# Allegro board RK_EVB7_RK3588_LP4XD200P232SD8_V11_20230111YWQ.brd (continued)
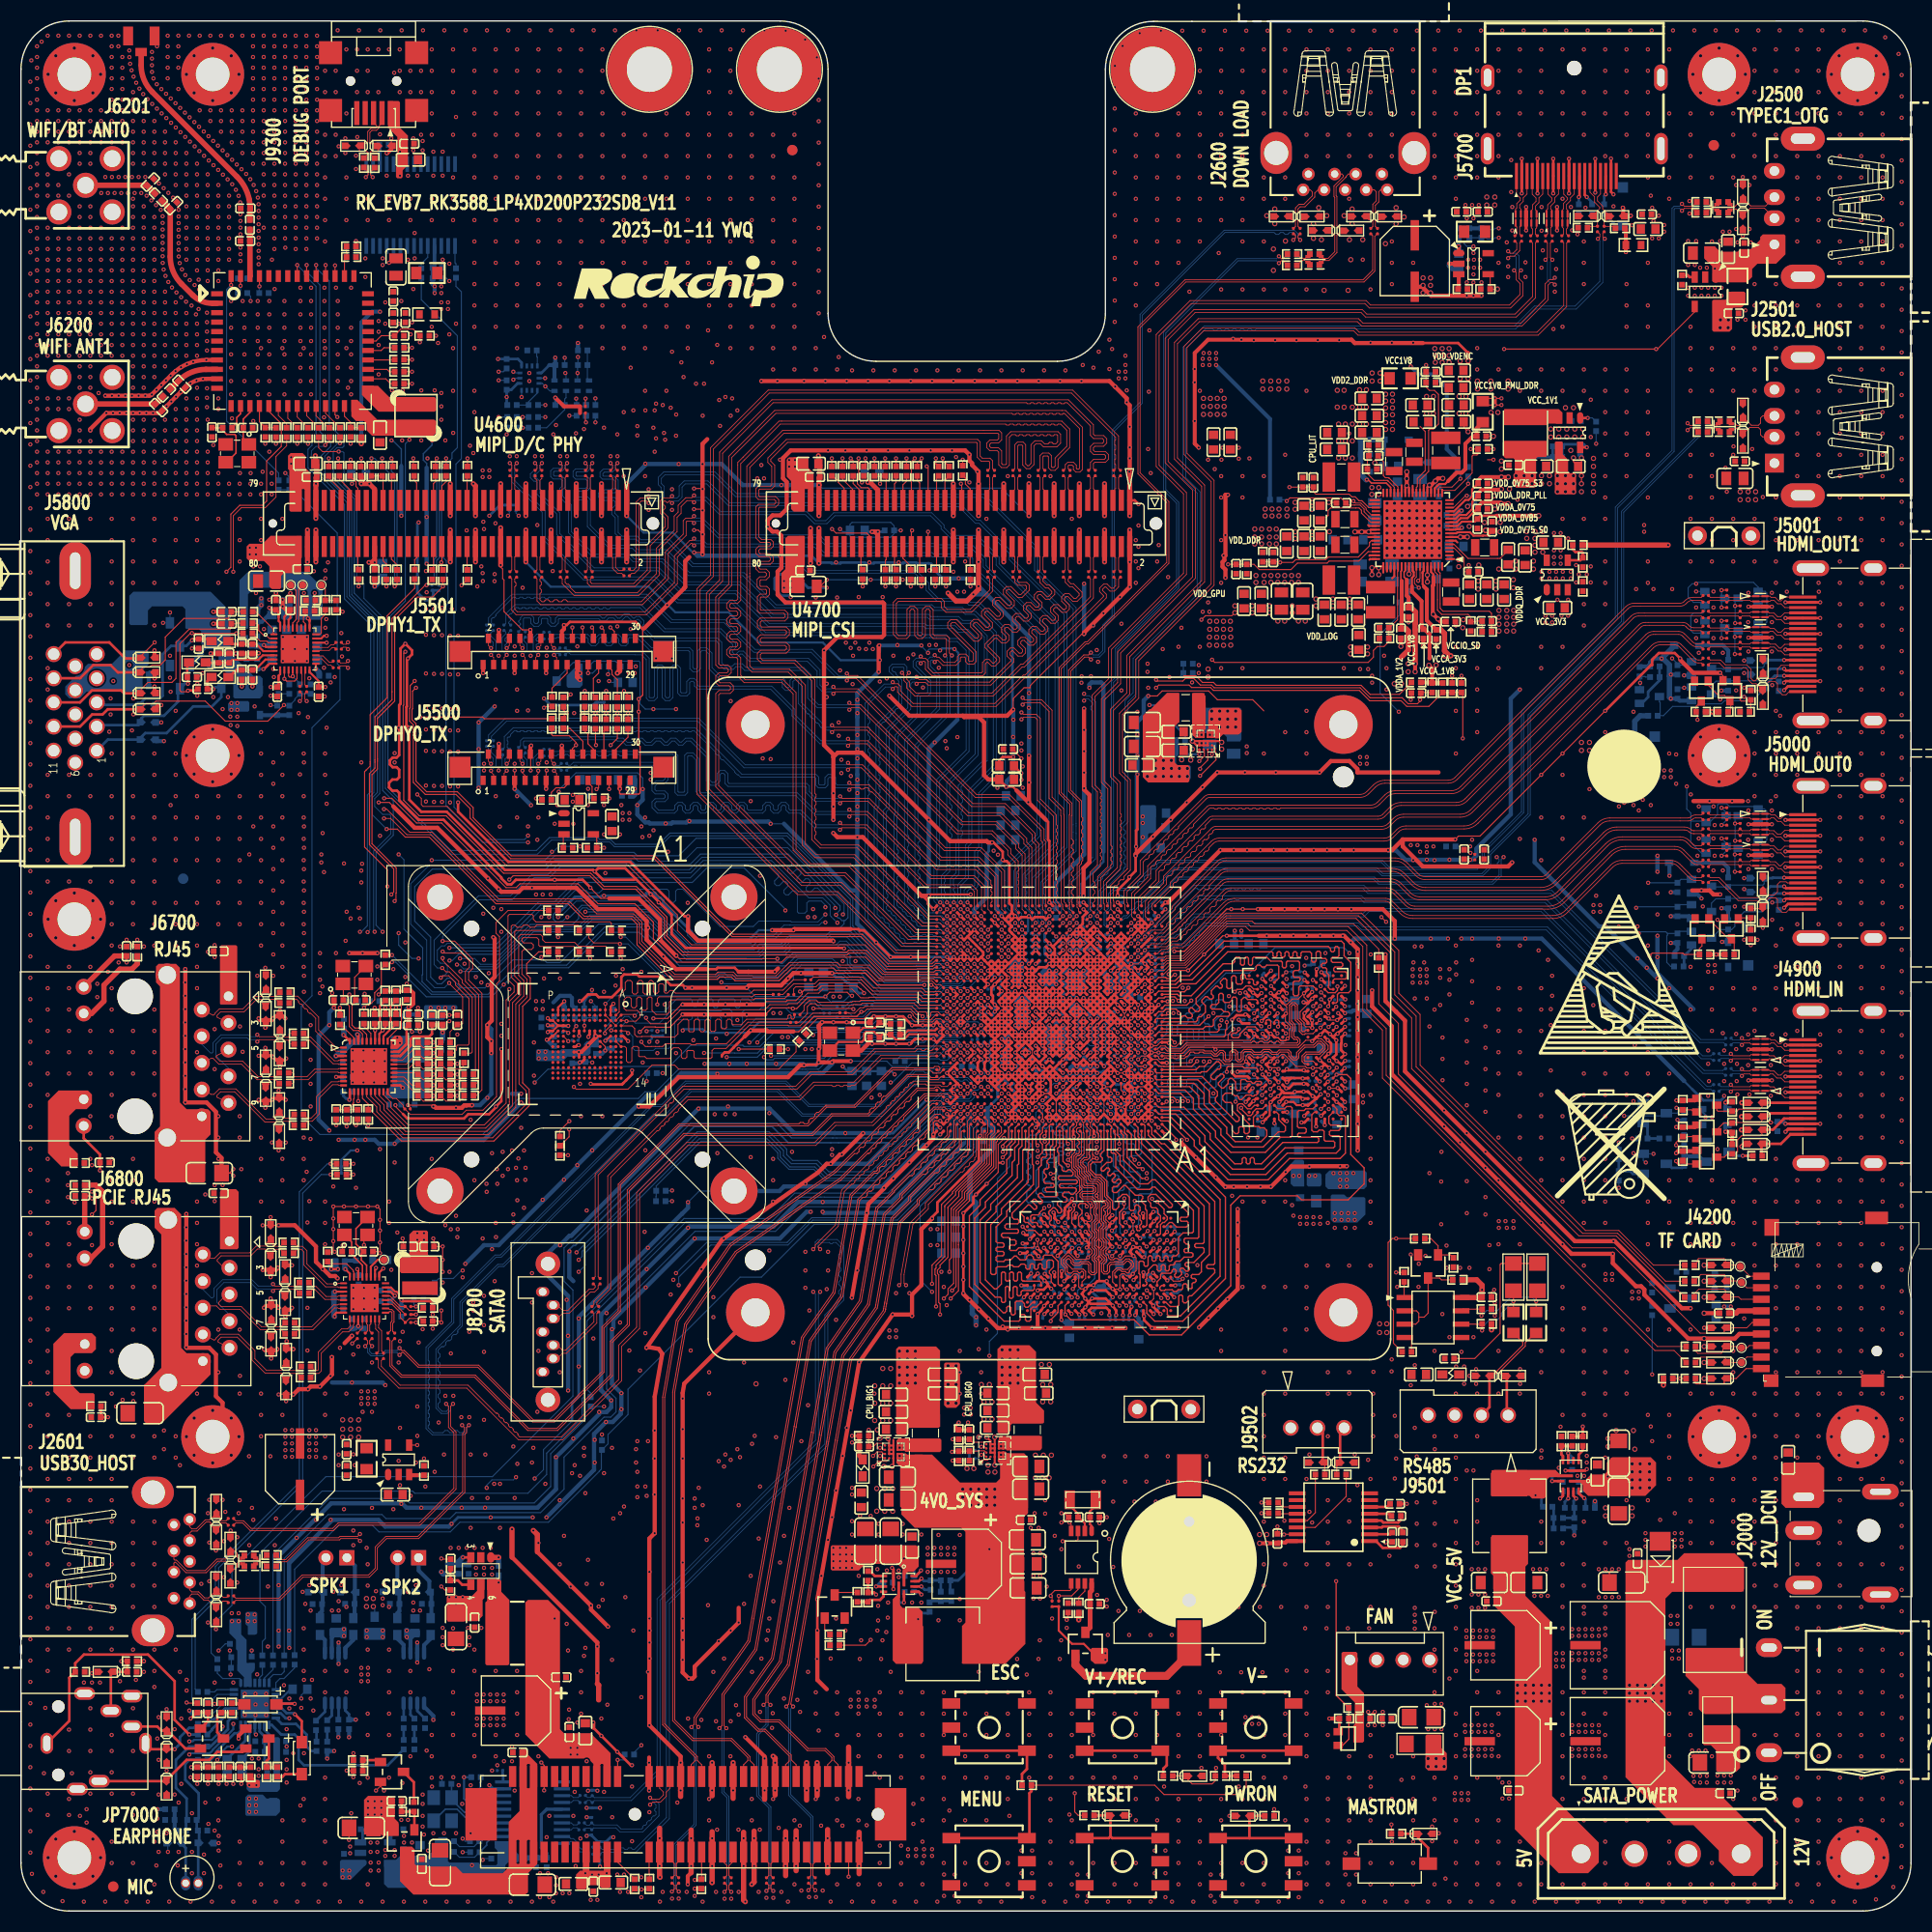
[diagram p0: board, top side]
## Routing (per net, layer and track width the routed paths; a pad name or vN(x,y) marks a point on that pad's centre or on a via; arc(x,y) is an arc through that point) (continued)
MAC1_TXD1: length 43.3
  TOP w0.086: R1516.1 v1(51.15,92.75)
  TOP w0.089: U1000.AC29 v1(90.14,88.9)
  L6-S2 w0.079: v1(90.14,88.9) 89.82,89.23 89.82,89.69 89.63,89.88 86.79,89.88 86.66,90.01 80.74,90.01 80.11,90.64 80.11,90.65 79.84,90.92 79.83,90.92 79.78,90.97 76.73,90.97 76.61,90.85 72.83,90.85 72.22,90.24 71.85,90.24 71.11,90.97 67.4,90.97 66.97,90.54 62.1,90.54 61.92,90.37 61.08,90.37 60.5,90.37 59.26,91.61 51.97,91.61 51.15,92.43 v1(51.15,92.75)
MAC1_TXD2: length 37.5
  TOP w0.086: R1512.1 v1(57.12,90.72)
  TOP w0.089: U1000.AA29 v1(90.14,86.95)
  L3-POWER1 w0.079: v1(90.14,86.95) 89.82,87.28 89.82,87.74 89.4,88.16 88.99,88.16 88.99,88.17 87.79,88.17 86.7,89.26 85.43,89.26 84.51,90.19 79.76,90.19 v1(79.48,90.46)
  L6-S2 w0.079: v1(57.12,90.72) 57.19,90.64 57.33,90.64 57.58,90.4 59.59,90.4 60.23,89.75 62.17,89.75 62.35,89.93 70.66,89.93 71.62,88.97 72.14,88.97 73.18,90.01 77.62,90.01 77.8,89.83 78.89,89.83 79.48,90.41 v1(79.48,90.46)
MAC1_TXD3: length 39.1
  TOP w0.086: v1(54.2,90.72) 54.2,90.77 54.07,90.9 R1513.1
  TOP w0.089: U1000.AA30 v1(89.49,86.95)
  L3-POWER1 w0.079: v1(78.26,90.46) 79.13,89.6 84.21,89.6 85.16,88.65 86.7,88.65 87.15,88.2 87.15,88.03 87.9,87.28 88.33,87.28 88.34,87.29 88.7,87.29 88.71,87.28 88.98,87.28 88.99,87.29 89.16,87.29 v1(89.49,86.95)
  L6-S2 w0.079: v1(78.26,90.46) 76.73,90.46 76.61,90.34 72.92,90.34 72.49,89.9 71.58,89.9 71.25,90.24 62.22,90.24 62.05,90.06 60.38,90.06 59.21,91.23 54.71,91.23 v1(54.2,90.72)
MAC1_TXEN: length 39.1
  TOP w0.086: R1517.1 v1(57.12,92.75)
  TOP w0.089: U1000.AD29 90.47,89.23 v1(90.14,89.55)
  BOTTOM w0.086: v1(90.14,89.55) 90.07,89.48 90.07,89.29 89.82,89.04 89.82,88.77 89.36,88.31 87.77,88.31 86.97,87.51 81.77,87.51 79.96,89.32 79.05,89.32 78.51,89.86 78.11,89.86 77.27,90.7 73.99,90.7 72.87,89.58 72.67,89.58 72.03,88.94 69.75,88.94 69.62,89.07 67.27,89.07 67.02,89.32 66.38,89.32 66.13,89.07 61.29,89.07 57.61,92.75 v1(57.12,92.75)
MIC2N: length 13.4
  BOTTOM w0.254: MIC7000.2 16.88,6.4 ED7001.1 16.97,7.54 R7022.1 16.73,7.78 C7020.2 16.92,8.86 16.92,11.22 15.65,12.49 15.65,14.01 16.03,14.39 C7010.2
MIC2P: length 15.2
  BOTTOM w0.254: MIC7000.1 15.68,6.01 ED7000.1 15.24,6.77 15.72,7.25 R7016.2 15.72,8.56 C7020.1 15.77,8.73 15.77,10.71 14.76,11.72 14.76,14.39 16.03,15.66 C7009.2
MIPI_CAM1_CLKOUT: length 132.3
  TOP w0.089: v1(92.74,76.55) 92.42,76.88 U1000.E26
  TOP w0.104: R4620.1 v1(42.52,138.34)
  L3-POWER1 w0.104: v1(44.33,69.26) 44.35,69.27 44.35,74.59 42.57,76.37 42.57,78.49 42.57,78.5 42.57,84.15 42.57,84.15 42.57,86.18 41.59,87.16 40.96,87.16 39.52,88.6 39.52,91.99 36.6,94.91 36.6,100.94 38.95,103.29 38.95,125.24 39.52,125.81 39.52,134.28 40.41,135.17 40.41,136.06 42.52,138.17 v1(42.52,138.34)
  L6-S2 w0.089: 90.37,73.47 91.96,75.05 91.96,75.85 92.66,76.55 v1(92.74,76.55)
  L6-S2 w0.104: v1(44.33,69.26) 44.44,69.26 45.33,68.36 58.12,68.36 62.05,64.43 66.78,64.43 67.58,65.23 72.81,65.23 73.68,66.1 83.01,66.1 90.37,73.47
MIPI_CAM1_PDN_L: length 160.5
  TOP w0.089: U1000.A26 92.42,74.24 92.04,73.87 92.04,73.54 91.99,73.48 91.99,73.34
  TOP w0.104: R4628.1 37.36,137.65 v1(37.36,138.34) ; 91.99,73.34 91.99,71.18 89.32,68.51 89.32,68.07 88.28,67.03 88.28,66.96 88.28,62.26 87.53,61.51 87.53,61.28 87.28,61.03 87.28,60.72 87.4,60.59 87.4,57.95 87.53,57.83 v1(87.53,56.81)
  L3-POWER1 w0.104: v1(37.36,138.34) 35.2,136.18 35.2,127.31 36.13,126.38 36.13,125.92 35.26,125.05 35.26,112.43 36.35,111.34 36.35,102.84 33.73,100.22 33.73,99.83 33.73,94.51 34.82,93.42 34.82,92.75 36.09,91.48 36.09,87.04 36.47,86.65 36.47,83.93 37.64,82.77 37.64,75.17 36.45,73.99 36.45,66.3 37.81,64.94 39.4,64.94 41.55,62.78 41.55,58.71 v1(43.08,57.19)
  L6-S2 w0.104: v1(43.08,57.19) 43.97,58.08 45.75,58.08 47.53,59.86 52.12,59.86 54.35,57.64 62.71,57.64 64.46,59.4 70.64,59.4 71.53,59.4 75.24,55.69 78.66,55.69 80.65,57.68 86.44,57.68 87.31,56.81 v1(87.53,56.81)
MIPI_CAM1_PWREN_H: length 151.6
  TOP w0.089: U1000.F28 v1(90.79,77.85)
  TOP w0.104: v1(31.39,138.22) 31.39,137.63 R4626.1
  L3-POWER1 w0.104: v1(42.76,139.55) 42.82,139.49 42.98,139.49 43.46,139.01 43.46,136.31 43.71,136.06 44.73,136.06 45.03,135.76 45.03,132.55 44.7,132.22 44.7,128.29 45.71,127.29 45.71,125.43 46.18,124.95 48.99,124.95 50.64,123.3 50.64,122.02 51.7,120.96 51.7,117.61 50.32,116.23 50.32,113.34 51.08,112.58 51.08,110.88 52.14,109.82 52.14,106.99 51.46,106.31 51.46,101.08 52.45,100.09 52.45,94.62 52.48,94.59 52.48,87.92 52.12,87.57 52.12,86.3 51.01,85.19 51.01,82.44 51.08,82.37 51.08,72.48 50.95,72.35 50.95,64.37 51.84,63.48 51.84,62.64 53.11,61.37 v1(53.11,60.87)
  L6-S2 w0.104: v1(42.76,139.55) 42.06,138.85 42.06,138.34 41.55,137.84 31.78,137.84 v1(31.39,138.22)
  BOTTOM w0.089: 86.42,74.95 86.61,75.15 86.61,75.32 87.27,75.98 87.27,76.3 87.85,76.88 88.42,76.88 88.67,77.13 90.45,77.13 90.79,77.47 v1(90.79,77.85)
  BOTTOM w0.104: 86.42,74.95 82.33,70.87 82.32,70.87 81.93,70.47 81.87,70.47 81.18,69.78 76.69,69.78 75.6,70.87 73.24,70.87 72.31,71.79 72.31,72.3 71.06,73.55 64.6,73.55 53.75,62.7 53.75,61.51 v1(53.11,60.87)
MIPI_CAM2_CLKOUT: length 110.9
  TOP w0.089: U1000.E27 91.77,76.88 v1(91.44,76.55)
  TOP w0.104: v1(41.96,126.26) R4621.2
  L3-POWER1 w0.104: v1(46.38,70.65) 46.38,70.66 46.38,71 46.36,71.03 46.36,71.92 46.38,71.94 46.38,76.62 45.24,77.76 45.24,84.37 44.98,84.62 44.98,84.72 44.83,84.87 44.83,88.7 44.98,88.85 44.98,90.34 44.48,90.85 44.48,95.16 43.97,95.67 43.97,101.39 40.48,104.88 40.48,123.99 41.96,125.47 v1(41.96,126.26)
  L6-S2 w0.089: v1(91.44,76.55) 91.44,76.47 91.34,76.37 91.34,76.26 91.12,76.04 91.12,75.79 91.12,75.79 91.12,75.77 90.93,75.58 90.66,75.58 90.64,75.59 90.58,75.59 88.45,73.47
  L6-S2 w0.104: 88.45,73.47 87.81,72.82 86.68,72.82 81.84,67.98 81.75,67.98 74.2,67.98 70.89,71.29 66.73,71.29 65.74,70.3 46.73,70.3 v1(46.38,70.65)
MIPI_CAM2_PDN_L: length 139.4
  TOP w0.104: v1(34.89,97.58) 34.89,97.58 34.89,99.16 32.72,101.33 32.72,108.51 32.86,108.65 33.25,109.04 33.25,109.23 33.25,109.42 33.25,113.93 34.87,115.55 34.87,115.93 34.87,123.35 37.49,125.97 R4629.2 ; U1000.B25 93.37,74.62 93.37,74.15 92.74,73.52 92.74,73.44 92.64,73.34 92.64,70.88 90.09,68.34 90.09,67.75 89.05,66.71 89.05,59.47 v1(88.67,59.1)
  L3-POWER1 w0.104: v1(40.41,65.32) 40.16,65.57 38.13,65.57 36.91,66.78 36.91,73.63 38.1,74.82 38.1,83.3 38.38,83.58 38.38,83.89 38.31,83.96 38.31,87.22 38.44,87.35 38.44,91.28 34.89,94.83 34.89,97.58 v1(34.89,97.58)
  L6-S2 w0.104: v1(88.67,59.1) 88.67,59.19 83.44,64.41 74.38,64.41 73.51,63.54 68.39,63.54 67.58,62.73 61.36,62.73 60.25,63.84 58.86,63.84 57.61,65.09 55.64,65.09 42.16,65.09 41.94,65.32 v1(40.41,65.32)
MIPI_CAM2_PWREN_H: length 143.1
  TOP w0.089: U1000.E28 v1(90.79,76.55)
  TOP w0.104: R4627.2 v1(32.16,126.15)
  L3-POWER1 w0.104: v1(35.27,61.06) 35.23,61.06 33.43,62.87 33.43,63.61 32.41,64.63 32.41,74.97 31.79,75.6 29.88,75.6 28.93,76.54 28.93,85.28 29.26,85.61 29.26,91.38 28.47,92.17 28.47,99.1 30.38,101.01 30.38,103.55 32.16,105.32 32.16,109.11 32.03,109.23 32.03,109.54 32.28,109.8 32.28,126.02 v1(32.16,126.15)
  L6-S2 w0.104: v1(35.27,61.06) 37.17,61.06 38.76,59.48 42.64,59.48 46.41,63.25 50.85,63.25 52.2,61.9 52.2,60.87 54.73,58.34 62.03,58.34 62.64,58.94 v1(62.64,59.6)
  BOTTOM w0.089: v1(90.79,76.55) 90.79,76.46 90.47,76.13 90.47,75.77 90.28,75.58 90.28,74.75 90.43,74.59 90.43,73.47
  BOTTOM w0.104: 90.43,73.47 90.43,72.87 90.43,72.77 83.45,65.8 75.41,65.8 73.05,63.44 65.71,63.44 62.64,60.37 v1(62.64,59.6)
MIPI_CAM3/4_PWREN_H: length 139
  TOP w0.089: U1000.D26 92.42,76.23 v1(92.74,75.9)
  TOP w0.104: R4736.1 79.25,138.11 v1(79.02,138.34)
  L3-POWER1 w0.104: v1(60.35,138.98) 60.6,138.72 60.6,137.76 61.08,137.28 61.08,128.66 60.41,127.99 60.41,120.56 60.86,120.12 60.86,114.34 61.85,113.35 61.85,101.74 61.18,101.07 61.18,95.04 60.67,94.53 60.67,93.26 61.18,92.75 61.18,92.18 61.69,91.67 61.69,87.73 62.36,87.06 62.36,83.12 63.13,82.35 63.13,79.85 59.87,76.59 59.87,69.96 59.54,69.64 59.54,64.83 v1(59.39,64.68)
  L6-S2 w0.089: v1(92.74,75.9) 92.34,75.5 92.34,74.59 92.12,74.37 92.12,73.78 91.8,73.47
  L6-S2 w0.104: v1(60.35,138.98) 60.41,138.92 65.43,138.92 65.46,138.9 74.66,138.9 75.59,137.96 78.51,137.96 78.89,138.34 v1(79.02,138.34) ; v1(59.39,64.68) 60.39,64.68 61.64,63.44 67.3,63.44 68.1,64.23 73.22,64.23 74.09,65.11 83.45,65.11 91.8,73.47
MIPI_CAM3_CLKOUT: length 180.3
  TOP w0.089: U1000.F24 v1(94.04,77.2)
  TOP w0.104: R4724.1 v1(89.69,138.22)
  L3-POWER1 w0.104: v1(42.44,131.49) 41.26,130.31 41.26,127.18 41.1,127.01 41.1,125.69 39.71,124.31 39.71,102.97 37.37,100.62 37.37,95.23 39.38,93.22 40.51,93.22 42.7,91.03 42.7,87.45 43.33,86.81 43.33,84.47 43.34,84.46 43.34,77 45.36,74.97 45.36,70.65 v1(45.32,70.65)
  L6-S2 w0.089: v1(94.04,77.2) 93.72,76.88 92.61,76.88 91.77,76.04 91.77,75.77 91.58,75.58 91.56,75.58 91.56,75.58 91.31,75.58 91.12,75.39 91.12,75.12 89.46,73.47
  L6-S2 w0.104: 89.46,73.47 87.92,71.92 87.4,71.92 82.57,67.09 71.52,67.09 70.42,65.99 61.78,65.99 58.64,69.13 46.13,69.13 45.32,69.94 v1(45.32,70.65) ; v1(42.44,131.49) 43.59,130.34 57.08,130.34 60.18,127.25 63.02,127.25 63.16,127.11 69.19,127.11 71.65,129.58 85.54,129.58 88.04,132.08 88.04,135.93 89.69,137.58 v1(89.69,138.22)
MIPI_CAM3_PDN_L: length 176.8
  TOP w0.089: U1000.C25 93.07,75.58 v1(93.39,75.25)
  TOP w0.104: v1(85.78,138.34) 85.35,137.92 R4732.1
  L3-POWER1 w0.104: v1(44.09,131.61) 44.24,131.46 44.24,127.91 44.39,127.77 44.39,125.28 42.24,123.13 42.24,107.51 46.87,102.88 46.87,98.41 46.89,98.39 46.89,98.07 46.38,97.57 46.38,91.43 46.74,91.07 46.74,88.1 47.02,87.82 47.02,84.92 47.02,79.03 48.03,78.02 48.03,74.64 48.29,74.39 48.29,71.41 48.54,71.16 48.54,71.08 48.54,71.08 48.54,70.73 48.54,69.51 46.89,67.86 v1(46.89,66.33)
  L6-S2 w0.089: 92.46,73.47 92.7,73.71 92.7,74.32 93.39,75.01 v1(93.39,75.25)
  L6-S2 w0.104: v1(46.89,66.33) 47.88,65.34 57.69,65.34 58.96,64.07 60.35,64.07 61.45,62.97 67.48,62.97 68.29,63.77 73.41,63.77 74.29,64.65 83.64,64.65 92.46,73.47 ; v1(85.78,138.34) 85.78,137.2 81.26,132.68 76.73,132.68 76.32,132.27 73.51,132.27 72.64,133.14 69.39,133.14 65.02,128.78 63.85,128.78 63.63,129 61.22,129 58.75,131.47 58.75,132.89 57.69,133.95 45.14,133.95 44.22,133.04 44.22,132.7 44.41,132.52 44.41,131.93 v1(44.09,131.61)
MIPI_CAM4/5_PWREN_H: length 154.4
  TOP w0.089: U1000.D25 v1(93.39,76.55)
  TOP w0.104: R4737.2 v1(80.16,126.15)
  L3-POWER1 w0.104: v1(45.1,126.65) 45.1,125.34 42.7,122.94 42.7,109.08 44.4,107.39 44.4,106 47.33,103.07 47.33,98.6 47.35,98.58 47.35,98.26 47.35,97.88 46.84,97.37 46.84,91.62 47.2,91.26 47.2,88.29 47.48,88.02 47.48,85.26 47.48,85.26 47.48,85.11 47.48,79.22 48.49,78.21 48.49,74.84 48.75,74.58 48.75,71.64 49,71.39 49,69.08 47.9,67.99 v1(47.9,66.97)
  L6-S2 w0.089: 91.39,73.47 91.44,73.47 91.82,73.85 91.82,74.34 92.15,74.67 92.15,75.77 92.61,76.23 92.88,76.23 93.2,76.55 v1(93.39,76.55)
  L6-S2 w0.104: v1(45.1,126.65) 45.35,126.9 58.23,126.9 59.31,125.82 62.43,125.82 62.6,125.65 79.66,125.65 v1(80.16,126.15) ; v1(47.9,66.97) 49.05,65.83 58.06,65.83 58.83,65.06 60.34,65.06 61.73,63.67 67.2,63.67 68,64.47 73.12,64.47 74,65.34 83.35,65.34 91.16,73.15 91.16,73.24 91.39,73.47
MIPI_CAM4_CLKOUT: length 164.1
  TOP w0.089: v1(93.39,77.85) U1000.F25
  TOP w0.104: R4725.2 v1(90.43,126.15)
  L3-POWER1 w0.104: v1(43.84,128.06) 43.08,127.29 43.08,125.51 41.24,123.68 41.24,105.32 44.95,101.61 44.95,96.11 45.37,95.7 45.37,91.04 45.74,90.66 45.74,88.53 45.59,88.38 45.59,85.19 46.25,84.53 46.25,78.18 47.14,77.29 47.14,73.7 47.37,73.47 v1(47.37,71.67)
  L6-S2 w0.089: 87.2,73.47 87.67,73.47 89.05,74.84 89.05,75.27 89.36,75.58 90.28,75.58 90.47,75.77 90.47,76.04 90.66,76.23 90.93,76.23 91.12,76.42 91.12,76.69 91.31,76.88 92.34,76.88 93.31,77.85 v1(93.39,77.85)
  L6-S2 w0.104: v1(90.43,126.15) 90.43,126.51 89.01,127.93 88.29,127.93 87.4,128.82 74.95,128.82 74.72,128.59 72.31,128.59 70.33,126.6 62.95,126.6 62.81,126.74 59.97,126.74 57.84,128.87 44.65,128.87 v1(43.84,128.06) ; 87.2,73.47 87.18,73.45 86.14,73.45 81.94,69.26 75.34,69.26 71.27,73.32 63.02,73.32 61.36,71.66 52.6,71.66 52.35,71.41 51.71,71.41 51.46,71.66 47.38,71.66 v1(47.37,71.67)
MIPI_CAM4_PDN_L: length 198.5
  TOP w0.089: 91.77,73.3 91.77,73.53 91.85,73.61 91.85,73.95 92.06,74.16 92.06,75.28 U1000.C27
  TOP w0.104: R4730.1 v1(84.33,138.34) ; v1(87.15,57.57) 87.15,60.52 87.05,60.62 87.05,61.13 87.15,61.23 87.15,61.51 87.97,62.33 87.97,67.09 87.97,67.09 87.97,67.16 89.01,68.2 89.01,68.49 91.77,71.25 91.77,73.3
  L3-POWER1 w0.104: v1(44.03,132.31) 44.47,131.87 44.47,128.06 44.62,127.92 44.62,125.5 44.62,125.18 42.47,123.04 42.47,108.92 44.16,107.22 44.16,105.91 47.1,102.98 47.1,98.5 47.12,98.48 47.12,98.17 47.12,97.98 46.61,97.47 46.61,91.53 46.97,91.17 46.97,88.2 47.25,87.92 47.25,85.01 47.25,79.13 48.26,78.11 48.26,74.74 48.52,74.49 48.52,71.54 48.77,71.29 48.77,69.23 47.65,68.11 47.65,67.35 47.4,67.1 47.4,66.21 47.14,65.95 46.38,65.95 44.35,63.92 44.35,59.22 v1(44.73,58.84)
  L6-S2 w0.104: v1(87.15,57.57) 86.81,57.91 80.56,57.91 78.57,55.92 75.33,55.92 71.62,59.63 70.74,59.63 70.74,59.63 64.34,59.63 62.58,57.87 54.44,57.87 52.22,60.1 45.98,60.1 v1(44.73,58.84) ; v1(44.03,132.31) 43.99,132.35 43.99,133.14 45.04,134.18 57.79,134.18 58.98,132.99 58.98,131.56 61.31,129.23 63.72,129.23 63.95,129.01 64.26,129.01 64.53,129.28 64.53,129.36 65.16,129.98 65.7,129.98 69.1,133.38 72.81,133.38 73.68,132.5 76.23,132.5 76.64,132.91 80.83,132.91 84.33,136.42 v1(84.33,138.34)
MIPI_CAM5_PDN_L: length 122
  TOP w0.089: U1000.AD33 87.51,89.58 87.09,89.58 86.93,89.42 82.22,89.42 80.41,91.23 79.45,91.23
  TOP w0.104: v1(46.51,98.23) 46.87,98.59 54.18,98.59 55.45,97.32 58.53,97.32 61.28,94.57 61.28,92.71 62.94,91.05 78.67,91.05 78.85,91.23 79.45,91.23 ; R4733.2 v1(85.76,126.15)
  L3-POWER1 w0.104: v1(43.99,126.66) 43.99,125.21 42.01,123.23 42.01,107.41 46.63,102.78 46.63,98.36 v1(46.51,98.23)
  L6-S2 w0.104: v1(85.76,126.15) 84.32,124.72 63.71,124.72 63.41,125.01 62.91,125.01 62.33,125.59 59.21,125.59 58.29,126.51 45.49,126.51 45.25,126.27 44.38,126.27 v1(43.99,126.66)
MIPI_CAM6_PDN_L: length 175.2
  TOP w0.089: 91.5,72.33 91.5,73.36 91.58,73.43 91.58,73.61 91.66,73.69 91.66,74.17 U1000.A27
  TOP w0.104: 91.5,72.33 91.5,71.28 88.71,68.48 88.71,68.33 87.67,67.29 87.67,67.22 87.67,62.41 86.77,61.51 v1(86.77,59.73) ; R4731.2 v1(84.74,126.15)
  L3-POWER1 w0.104: v1(45.24,64.19) 45.24,64.48 45.82,65.06 46.92,65.06 48.28,66.43 48.28,67.98 49.11,68.81 49.11,68.86 49.23,68.99 49.23,71.48 48.98,71.74 48.98,74.68 48.73,74.93 48.73,78.31 47.71,79.32 47.71,85.21 47.71,85.36 47.71,88.11 47.43,88.39 47.43,91.36 47.07,91.72 47.07,97.28 47.58,97.78 47.58,98.36 47.58,98.67 47.56,98.69 47.56,103.17 44.63,106.1 44.63,107.48 44.49,107.62 42.93,109.18 42.93,122.84 45.33,125.24 45.33,126.34 45.47,126.49 45.47,126.96 v1(45.11,127.32)
  L6-S2 w0.104: v1(45.24,64.19) 57.41,64.19 59.72,61.88 60.04,61.88 60.51,61.4 62.54,61.4 63.85,60.09 70.94,60.09 70.94,60.09 71.13,60.09 74.76,63.72 83.15,63.72 86.77,60.11 v1(86.77,59.73) ; v1(84.74,126.15) 84.74,126.55 83.87,127.42 72.8,127.42 71.28,125.91 62.66,125.91 62.52,126.05 59.41,126.05 58.23,127.23 45.2,127.23 v1(45.11,127.32)
MIPI_CAM7_PDN_L: length 50.2
  TOP w0.104: U4700.64 80.79,130.98 80.54,131.23 77.62,131.23 v1(77.24,131.61)
  L3-POWER1 w0.104: v1(45.19,132.17) 45.3,132.28 45.3,136.09 45.53,136.31 45.53,136.31 46,136.78 46,140.38 v1(46.25,140.63)
  L6-S2 w0.102: v1(45.19,132.17) 46.08,132.17 46.19,132.06 48.6,132.06
  L6-S2 w0.104: 48.6,132.06 48.92,132.37 56.3,132.37 60.68,127.99 63.33,127.99 63.47,127.86 65.54,127.86 68.15,130.47 76.29,130.47 77.24,131.42 v1(77.24,131.61)
  BOTTOM w0.104: R1923.2 46.31,140.69 v1(46.25,140.63)
MIPI_CAM8_PDN_L: length 43.3
  TOP w0.104: v1(79.77,138.34) 79.78,138.33 79.78,136.4 79.65,136.27 79.65,135.93 80.04,135.55 80.67,135.55 80.79,135.43 U4700.63
  L6-S2 w0.104: v1(45.49,142.28) 47.02,142.28 47.52,142.79 47.9,142.79 48.29,142.41 48.29,141.14 49.17,140.25 58.42,140.25 58.85,139.82 60.7,139.82 60.91,139.61 65.81,139.61 65.83,139.59 79.42,139.59 79.77,139.25 v1(79.77,138.34)
  BOTTOM w0.104: R1924.2 v1(45.49,142.28)
MIPI_CSI0_CLK0N: length 2.5
  TOP w0.076: R4708.2 99.73,136.52 99.73,135.44 99.99,135.18 U4700.15
MIPI_CSI0_CLK0P: length 2.5
  TOP w0.076: U4700.17 99.19,135.12 99.45,135.38 99.45,136.52 R4710.2
MIPI_CSI0_CLK1N: length 2.5
  TOP w0.076: R4720.2 92.53,136.52 92.53,135.91 92.53,135.4 92.79,135.14 U4700.33
MIPI_CSI0_CLK1P: length 2.5
  TOP w0.076: R4722.2 92.25,136.52 92.25,135.85 92.25,135.42 91.99,135.16 U4700.35
MIPI_CSI0_D0N: length 2.5
  TOP w0.076: R4700.2 104.53,136.52 104.53,135.47 104.79,135.21 U4700.3
MIPI_CSI0_D0P: length 2.5
  TOP w0.076: R4702.2 104.25,136.51 104.25,135.48 103.99,135.22 U4700.5
MIPI_CSI0_D1N: length 2.5
  TOP w0.076: R4704.2 102.13,136.52 102.13,135.46 102.39,135.19 U4700.9
MIPI_CSI0_D1P: length 2.5
  TOP w0.076: U4700.11 101.59,135.23 101.85,135.49 101.85,136.52 R4706.2
MIPI_CSI0_D2N: length 2.5
  TOP w0.076: R4712.2 97.33,136.52 97.33,135.43 97.59,135.17 U4700.21
MIPI_CSI0_D2P: length 2.5
  TOP w0.076: U4700.23 96.79,135.13 97.05,135.39 97.05,136.52 R4714.2
MIPI_CSI0_D3N: length 2.5
  TOP w0.076: R4716.2 94.93,136.52 94.93,135.42 95.19,135.16 U4700.27
MIPI_CSI0_D3P: length 2.5
  TOP w0.076: R4718.2 94.65,136.52 94.65,135.4 94.39,135.14 U4700.29
MIPI_CSI0_RX_CLK0N: length 105.9
  TOP w0.076: U1000.AJ34 87.17,92.52 84.49,92.52 78.42,98.59 74.64,98.59 66.17,107.06 66.17,115.94 66.46,116.24 67.43,116.24 67.56,116.37 67.56,116.56 67.43,116.69 66.46,116.69 66.17,116.99 66.17,117.62 66.46,117.92 67.23,117.92 67.36,118.05 67.36,118.24 67.23,118.38 66.46,118.38 66.17,118.67 66.17,125.12 67.4,126.36 67.4,138.53 71.77,142.91 99.15,142.91 99.15,142.91 99.49,142.91 101.09,141.31 101.09,137.28 100.85,137.04 100.47,137.04 100.23,137.28 100.23,137.58 100.1,137.71 99.81,137.71 99.73,137.63 99.73,137.37 R4708.1
MIPI_CSI0_RX_CLK0P: length 105.9
  TOP w0.076: R4710.1 99.45,137.37 99.45,137.75 99.69,137.99 100.22,137.99 100.51,137.7 100.51,137.39 100.58,137.32 100.73,137.32 100.81,137.39 100.81,141.19 99.37,142.63 99.27,142.63 99.17,142.53 98.95,142.53 98.85,142.63 98.62,142.63 98.53,142.53 98.3,142.53 98.21,142.63 97.98,142.63 97.88,142.53 97.65,142.53 97.56,142.63 97.33,142.63 97.24,142.53 97.01,142.53 96.91,142.63 96.74,142.63 96.64,142.53 96.41,142.53 96.32,142.63 96.09,142.63 95.99,142.53 95.77,142.53 95.67,142.63 95.44,142.63 95.35,142.53 95.12,142.53 95.03,142.63 94.8,142.63 94.7,142.53 94.47,142.53 94.38,142.63 71.89,142.63 67.68,138.42 67.68,126.24 66.45,125.01 66.45,118.79 66.58,118.66 67.34,118.66 67.64,118.36 67.64,117.94 67.34,117.64 66.58,117.64 66.45,117.51 66.45,117.11 66.58,116.97 67.55,116.97 67.84,116.68 67.84,116.25 67.55,115.96 66.58,115.96 66.45,115.82 66.45,107.18 74.75,98.87 78.54,98.87 84.61,92.8 87.54,92.8 U1000.AJ33
MIPI_CSI0_RX_CLK1N: length 107.1
  TOP w0.076: R4720.1 92.53,137.37 92.53,138.12 92.29,138.36 91.55,138.36 91.35,138.57 91.35,139.91 91.11,140.15 72.89,140.15 71.13,138.38 71.13,137.96 71.5,137.58 71.5,135.83 71.37,135.7 70.23,135.7 69.99,135.46 69.99,134.67 70.23,134.43 71.75,134.43 71.88,134.29 71.88,134.11 71.75,133.97 70.23,133.97 69.99,133.73 69.99,130.76 70.4,130.35 71.29,130.35 71.37,130.27 71.37,130.08 71.29,130.01 70.29,130.01 69.99,129.71 69.99,129.29 70.29,128.99 71.24,128.99 71.37,128.86 71.37,128.67 71.24,128.53 70.29,128.53 69.99,128.24 69.99,127.82 70.29,127.52 70.86,127.52 70.99,127.38 70.99,127.2 70.86,127.06 70.34,127.06 70.1,126.82 70.1,126.11 70.34,125.87 70.92,125.87 71.01,125.78 71.01,125.49 70.93,125.42 70.37,125.42 70.13,125.18 70.13,123.84 70.37,123.6 72.64,123.6 72.77,123.47 72.77,123.28 72.64,123.14 70.41,123.14 70.13,122.86 70.13,122.3 70.43,122 72.76,122 72.9,121.87 72.9,121.68 72.76,121.54 70.43,121.54 70.13,121.25 70.13,120.83 70.43,120.53 72.76,120.53 72.9,120.39 72.9,120.2 72.76,120.07 70.43,120.07 70.13,119.77 70.13,119.22 70.5,118.86 73.61,118.86 75.31,117.16 75.31,102.04 76.11,101.24 79.66,101.24 86.43,94.47 87.17,94.47 U1000.AM34
MIPI_CSI0_RX_CLK1P: length 107.1
  TOP w0.076: R4722.1 92.25,137.37 92.25,138.01 92.18,138.08 91.44,138.08 91.07,138.45 91.07,139.79 91,139.87 73.01,139.87 71.41,138.26 71.41,138.07 71.78,137.7 71.78,135.72 71.48,135.42 70.35,135.42 70.27,135.34 70.27,134.78 70.35,134.71 71.86,134.71 72.16,134.41 72.16,133.99 71.86,133.69 70.35,133.69 70.27,133.62 70.27,130.88 70.52,130.63 71.41,130.63 71.65,130.39 71.65,129.97 71.41,129.73 70.4,129.73 70.27,129.59 70.27,129.4 70.4,129.27 71.35,129.27 71.65,128.97 71.65,128.55 71.35,128.26 70.4,128.26 70.27,128.12 70.27,127.93 70.4,127.8 70.97,127.8 71.27,127.5 71.27,127.08 70.97,126.78 70.46,126.78 70.38,126.71 70.38,126.23 70.46,126.15 71.03,126.15 71.29,125.9 71.29,125.38 71.05,125.14 70.49,125.14 70.41,125.06 70.41,123.96 70.49,123.88 72.75,123.88 73.05,123.58 73.05,123.16 72.75,122.86 70.52,122.86 70.41,122.75 70.41,122.41 70.54,122.28 72.88,122.28 73.18,121.98 73.18,121.56 72.88,121.26 70.54,121.26 70.41,121.13 70.41,120.94 70.54,120.81 72.88,120.81 73.18,120.51 73.18,120.09 72.88,119.79 70.54,119.79 70.41,119.66 70.41,119.34 70.61,119.14 73.73,119.14 75.59,117.28 75.59,106.46 75.72,106.33 75.72,106.1 75.59,105.98 75.59,105.75 75.72,105.62 75.72,105.39 75.59,105.27 75.59,105.04 75.72,104.91 75.72,104.68 75.59,104.55 75.59,104.33 75.72,104.2 75.72,103.97 75.59,103.84 75.59,103.61 75.72,103.49 75.72,103.26 75.59,103.13 75.59,102.9 75.72,102.78 75.72,102.55 75.59,102.42 75.59,102.16 76.23,101.52 79.77,101.52 86.54,94.75 87.54,94.75 U1000.AM33
MIPI_CSI0_RX_D0N: length 108.9
  TOP w0.076: U1000.AG34 87.17,91.22 83.26,91.22 77.68,96.8 73.94,96.8 64.39,106.35 64.39,125.94 65.66,127.21 65.66,139.35 71.16,144.85 100.16,144.85 104.53,140.48 104.53,137.37 R4700.1
MIPI_CSI0_RX_D0P: length 108.5
  TOP w0.076: U1000.AG33 87.54,91.5 83.37,91.5 77.79,97.08 74.05,97.08 64.67,106.47 64.67,125.83 65.94,127.1 65.94,139.23 71.27,144.57 100.04,144.57 104.25,140.36 104.25,140.12 104.17,140.04 104.17,139.66 104.25,139.58 104.25,139.2 104.17,139.12 104.17,138.75 104.25,138.67 104.25,138.29 104.17,138.21 104.17,137.83 104.25,137.75 104.25,137.37 R4702.1
MIPI_CSI0_RX_D1N: length 108.3
  TOP w0.076: R4704.1 102.13,137.37 102.13,137.84 102.27,137.98 103.28,137.98 103.58,138.28 103.58,138.7 103.28,138.99 102.27,138.99 102.13,139.13 102.13,139.36 102.27,139.5 103.11,139.5 103.4,139.8 103.4,140.22 103.11,140.51 102.27,140.51 102.13,140.65 102.13,141.55 99.76,143.92 71.52,143.92 66.54,138.94 66.54,126.76 65.28,125.51 65.28,106.73 74.34,97.67 78.07,97.67 83.86,91.87 87.17,91.87 U1000.AH34
MIPI_CSI0_RX_D1P: length 108.2
  TOP w0.076: R4706.1 101.85,137.37 101.85,137.96 102.15,138.26 103.17,138.26 103.3,138.39 103.3,138.58 103.17,138.71 102.15,138.71 101.85,139.01 101.85,139.48 102.15,139.78 102.99,139.78 103.12,139.91 103.12,140.1 102.99,140.23 102.15,140.23 101.85,140.53 101.85,141.43 99.64,143.65 99.42,143.65 99.32,143.55 99.09,143.55 99,143.65 98.77,143.65 98.68,143.55 98.45,143.55 98.35,143.65 98.12,143.65 98.03,143.55 97.8,143.55 97.71,143.65 97.48,143.65 97.38,143.55 97.15,143.55 97.06,143.65 96.83,143.65 96.74,143.55 96.51,143.55 96.41,143.65 96.18,143.65 96.09,143.55 95.86,143.55 95.77,143.65 71.63,143.65 66.81,138.82 66.81,126.65 65.56,125.39 65.56,106.85 74.46,97.94 78.19,97.94 83.98,92.15 87.54,92.15 U1000.AH33
MIPI_CSI0_RX_D2N: length 106.4
  TOP w0.076: R4712.1 97.33,137.37 97.33,138.5 97.41,138.57 97.77,138.57 97.85,138.5 97.85,137.45 98.09,137.2 98.48,137.2 98.77,137.49 98.77,138.27 99.87,139.37 99.87,141.14 99.13,141.89 72.43,141.89 72.43,141.89 72.2,141.89 68.77,138.46 68.26,137.96 68.26,137.73 68.26,126.97 68.26,124.94 68.13,124.81 67.51,124.81 67.21,124.51 67.21,124.09 67.51,123.79 68.13,123.79 68.26,123.66 68.26,123.47 68.13,123.34 67.51,123.34 67.21,123.04 67.21,122.62 67.51,122.32 68.13,122.32 68.26,122.19 68.26,122 68.13,121.86 67.51,121.86 67.21,121.57 67.21,121.15 67.51,120.85 68.13,120.85 68.26,120.71 68.26,120.52 68.13,120.39 67.51,120.39 67.21,120.09 67.21,119.67 67.51,119.37 68.13,119.37 68.26,119.24 68.26,117.59 68.87,116.98 72.47,116.98 73.53,115.92 73.53,101.02 75.09,99.46 78.88,99.46 85.16,93.17 87.17,93.17 U1000.AK34
MIPI_CSI0_RX_D2P: length 106.4
  TOP w0.076: R4714.1 97.05,137.37 97.05,138.61 97.29,138.85 97.89,138.85 98.13,138.61 98.13,137.56 98.21,137.48 98.36,137.48 98.49,137.61 98.49,138.38 99.59,139.49 99.59,141.03 99.01,141.61 98.78,141.61 98.69,141.52 98.46,141.52 98.36,141.61 98.13,141.61 98.04,141.52 97.81,141.52 97.72,141.61 97.49,141.61 97.39,141.52 97.17,141.52 97.07,141.61 96.84,141.61 96.75,141.52 96.52,141.52 96.42,141.61 96.2,141.61 96.1,141.52 95.87,141.52 95.78,141.61 95.55,141.61 95.46,141.52 95.23,141.52 95.13,141.61 94.9,141.61 94.81,141.52 94.58,141.52 94.49,141.61 94.19,141.61 94.1,141.52 93.87,141.52 93.77,141.61 72.31,141.61 68.88,138.18 68.54,137.84 68.54,127.03 68.54,124.83 68.24,124.53 67.62,124.53 67.49,124.4 67.49,124.21 67.62,124.07 68.24,124.07 68.54,123.78 68.54,123.36 68.24,123.06 67.62,123.06 67.49,122.92 67.49,122.73 67.62,122.6 68.24,122.6 68.54,122.3 68.54,121.88 68.24,121.58 67.62,121.58 67.49,121.45 67.49,121.26 67.62,121.13 68.24,121.13 68.54,120.83 68.54,120.41 68.24,120.11 67.62,120.11 67.49,119.98 67.49,119.79 67.62,119.65 68.24,119.65 68.54,119.36 68.54,117.71 68.98,117.26 72.59,117.26 73.81,116.04 73.81,101.13 75.21,99.74 79,99.74 85.28,93.45 87.59,93.45 87.87,93.17 U1000.AK33